# Altium PCB PCB-Relay-Board-V1.PcbDoc (part 1 of 2) (continued)
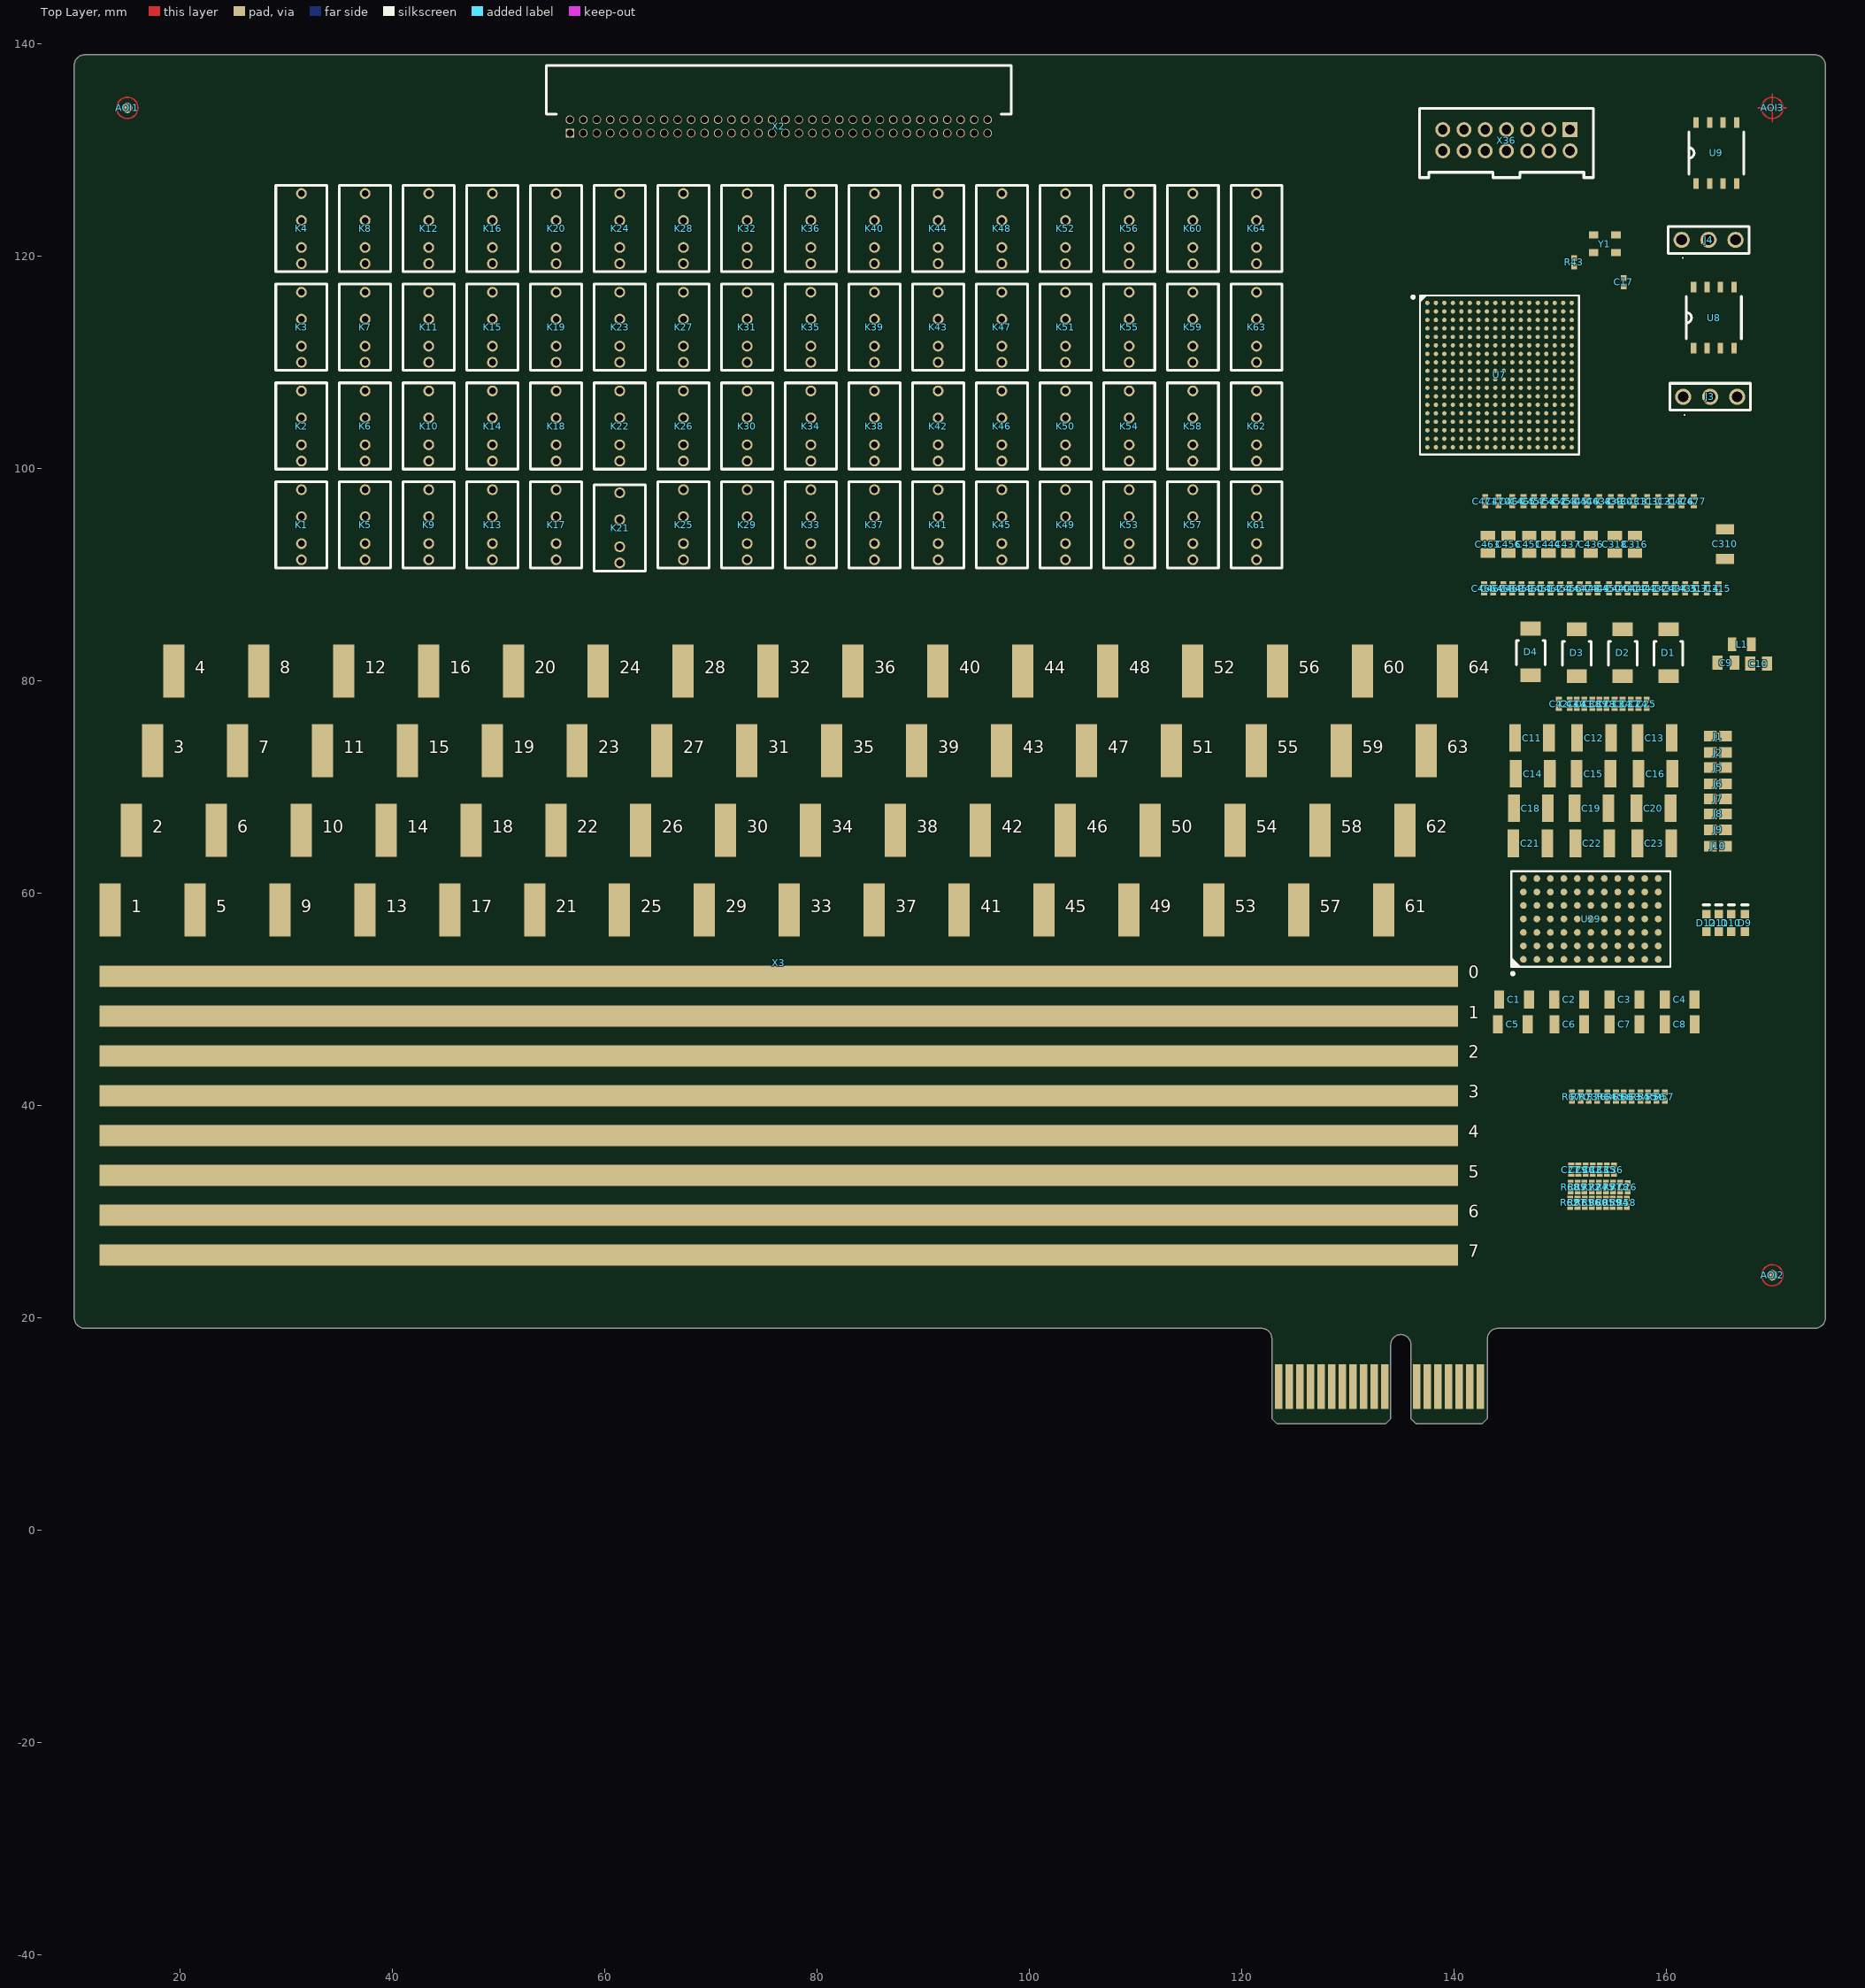
[diagram p0: Top Layer view]
## Classes and differential pairs
net class DRV[64..1]: DRV1 DRV2 DRV3 DRV4 DRV5 DRV6 DRV7 DRV8 DRV9 DRV10 DRV11 DRV12 DRV13 DRV14 DRV15 DRV16 DRV17 DRV18 DRV19 DRV20 DRV21 DRV22 DRV23 DRV24 DRV25 DRV26 DRV27 DRV28 DRV29 DRV30 DRV31 DRV32 DRV33 DRV34 DRV35 DRV36 DRV37 DRV38 DRV39 DRV40 DRV41 DRV42 DRV43 DRV44 DRV45 DRV46 DRV47 DRV48 DRV49 DRV50 DRV51 DRV52 DRV53 DRV54 DRV55 DRV56 DRV57 DRV58 DRV59 DRV60 DRV61 DRV62 DRV63 DRV64
net class ABUS[7..0]: ABUS0 ABUS1 ABUS2 ABUS3 ABUS4 ABUS5 ABUS6 ABUS7
component class X7A15T-Prog: J4 R44 R45 R46 R47 U7 U9 X36 X37
component class X7A15T-Fabric: C17 J3 R43 U8 X35 Y1
component class X7A15T-Decoupling: C310 C311 C312 C313 C314 C315 C316 C317 C318 C430 C431 C432 C433 C434 C435 C436 C437 C438 C439 C440 C441 C442 C443 C444 C445 C446 C447 C448 C449 C450 C451 C452 C453 C454 C455 C456 C457 C458 C459 C460 C461 C462 C463 C464 C465 C466 C467 C468 C469 C470 C471 C476 C477
component class PCB-Relay-Board-V1: AOI1 AOI2 AOI3 AOI4 AOI5 AOI6 D1 D2 D3 D4 K1 K2 K3 K4 K5 K6 K7 K8 K9 K10 K11 K12 K13 K14 K15 K16 K17 K18 K19 K20 K21 K22 K23 K24 K25 K26 K27 K28 K29 K30 K31 K32 K33 K34 K35 K36 K37 K38 K39 K40 K41 K42 K43 K44 K45 K46 K47 K48 K49 K50 K51 K52 K53 K54 K55 K56 K57 K58 K59 K60 K61 K62 K63 K64 Q1 Q2 Q3 Q4 Q5 Q6 Q7 Q8 Q9 Q10 Q11 Q12 Q13 Q14 Q15 Q16 Q17 Q18 Q19 Q20 Q21 Q22 Q23 Q24 Q25 Q26 Q27 Q28 Q29 Q30 Q31 Q32 Q33 Q34 Q35 Q36 Q37 Q38 Q39 Q40 Q41 Q42 Q43 Q44 Q45 Q46 Q47 Q48 Q49 Q50 Q51 Q52 Q53 Q54 Q55 Q56 Q57 Q58 Q59 Q60 Q61 Q62 Q63 Q64 R1 R2 R3 R4 R5 R6 R7 R8 R9 R10 R11 R12 R13 R14 R15 R16 R17 R18 R19 R20 R21 R22 R23 R24 R25 R26 R27 R28 R29 R30 R31 R32 R33 R34 R35 R36 R37 R38 R39 R40 R41 R42 R48 R49 R50 R51 R52 R53 R54 R55 R56 R57 R58 R59 R60 R61 R62 R63 R64 R65 R66 R67 R68 R69 X1 X2 X3 X4
component class RelayDriver: C9 C10 L1
component class Power: C1 C2 C3 C4 C5 C6 C7 C8 C11 C12 C13 C14 C15 C16 C18 C19 C20 C21 C22 C23 C24 C25 C26 C27 C28 C29 C30 C31 C32 C33 C34 C35 C36 C37 C38 C39 C40 C41 C42 C43 C494 C495 C496 C501 C502 C503 C504 C505 C506 C507 C508 C509 D9 D10 D11 D12 J1 J2 J5 J6 J7 J8 J9 J10 J29 J30 J31 J32 J33 J34 J35 J36 R54 R55 R56 R57 R58 R59 R60 R61 R62 R63 R64 R65 R66 R67 R68 R69 R70 R71 R72 R73 R74 R75 R76 R77 R78 R94 R95 R96 R97 U29

## Components (designator, comment, footprint, x,y, rotation, side; value= is the part's Value field where it differs from the comment)
AOI1 "AOI" "Fiducial Point" 15,134 r0 top locked
AOI2 "AOI" "Fiducial Point" 170,24 r90 top
AOI3 "AOI" "Fiducial Cross" 170,134 r90 top locked
AOI4 "AOI" "Fiducial Point" 15,134 r90 bottom locked
AOI5 "AOI" "Fiducial Point" 170,24 r90 bottom
AOI6 "AOI" "Fiducial Cross" 170,134 r90 bottom locked
C1 "C" "C1206 Reflow" 145.662,49.968 r0 top value=10uF
C2 "C" "C1206 Reflow" 150.869,49.968 r0 top value=10uF
C3 "C" "C1206 Reflow" 156.076,49.968 r0 top value=10uF
C4 "C" "C1206 Reflow" 161.283,49.968 r0 top value=10uF
C5 "C" "C1206 Reflow" 145.537,47.661 r0 top value=10uF
C6 "C" "C1206 Reflow" 150.871,47.661 r0 top value=10uF
C7 "C" "C1206 Reflow" 156.078,47.661 r0 top value=10uF
C8 "C" "C1206 Reflow" 161.285,47.661 r0 top value=10uF
C9 "C" "C0805 Reflow" 165.635,81.716 r0 top value=10uF
C10 "C" "C0805 Reflow" 168.705,81.64 r180 top value=10uF
C11 "C" "C1210 Reflow" 147.358,74.637 r0 top value=47uF
C12 "C" "C1210 Reflow" 153.2,74.637 r0 top value=47uF
C13 "C" "C1210 Reflow" 158.915,74.637 r0 top value=47uF
C14 "C" "C1210 Reflow" 147.433,71.261 r0 top value=47uF
C15 "C" "C1210 Reflow" 153.148,71.261 r0 top value=47uF
C16 "C" "C1210 Reflow" 158.99,71.261 r0 top value=47uF
C17 "C" "C0402 Reflow" 155.996,117.58 r90 top value=100nF
C18 "C" "C1210 Reflow" 147.254,68.008 r0 top value=47uF
C19 "C" "C1210 Reflow" 152.969,68.008 r0 top value=47uF
C20 "C" "C1210 Reflow" 158.811,68.008 r0 top value=47uF
C21 "C" "C1210 Reflow" 147.204,64.702 r0 top value=47uF
C22 "C" "C1210 Reflow" 153.046,64.702 r0 top value=47uF
C23 "C" "C1210 Reflow" 158.888,64.702 r0 top value=47uF
C24 "C" "C0402 Reflow" 157.397,77.847 r90 top value=100pF
C25 "C" "C0402 Reflow" 158.169,77.847 r90 top value=100pF
C26 "C" "C0402 Reflow" 156.381,32.29 r90 top value=100nF
C27 "C" "C0402 Reflow" 151.057,33.95 r90 top value=1nF
C28 "C" "C0402 Reflow" 154.382,77.847 r90 top value=100pF
C29 "C" "C0402 Reflow" 151.725,33.95 r90 top value=100nF
C30 "C" "C0402 Reflow" 152.428,33.95 r90 top value=1nF
C31 "C" "C0402 Reflow" 155.14,77.847 r90 top value=100pF
C32 "C" "C0402 Reflow" 153.071,33.95 r90 top value=100nF
C33 "C" "C0402 Reflow" 153.75,33.95 r90 top value=1nF
C34 "C" "C0402 Reflow" 155.892,77.847 r90 top value=100pF
C35 "C" "C0402 Reflow" 154.412,33.95 r90 top value=100nF
C36 "C" "C0402 Reflow" 155.092,33.95 r90 top value=1nF
C37 "C" "C0402 Reflow" 156.671,77.847 r90 top value=100pF
C38 "C" "C0402 Reflow" 153.023,77.847 r90 top value=100pF
C39 "C" "C0402 Reflow" 153.707,77.847 r90 top value=100pF
C40 "C" "C0402 Reflow" 151.584,77.847 r90 top value=100pF
C41 "C" "C0402 Reflow" 152.276,77.847 r90 top value=100pF
C42 "C" "C0402 Reflow" 149.891,77.847 r90 top value=100pF
C43 "C" "C0402 Reflow" 150.907,77.847 r90 top value=100pF
C310 "C" "C1206 Reflow" 165.547,92.905 r90 top value=47uF
C311 "C" "C0402 RevOne" 158.212,96.937 r90 top value=4u7F
C312 "C" "C0402 RevOne" 159.253,96.937 r90 top value=4u7F
C313 "C" "C0402 RevOne" 160.476,96.937 r90 top value=4u7F
C314 "C" "C0402 RevOne" 163.82,88.72 r90 top value=470nF
C315 "C" "C0402 RevOne" 164.935,88.72 r90 top value=470nF
C316 "C" "C0805 Reflow" 157.062,92.858 r90 top value=47uF
C317 "C" "C0402 RevOne" 162.793,88.72 r90 top value=470nF
C318 "C" "C0805 Reflow" 155.163,92.858 r90 top value=47uF
C430 "C" "C0402 RevOne" 155.703,96.937 r90 top value=4u7F
C431 "C" "C0402 RevOne" 156.953,96.937 r90 top value=4u7F
C432 "C" "C0402 RevOne" 159.004,88.72 r90 top value=470nF
C433 "C" "C0402 RevOne" 159.914,88.72 r90 top value=470nF
C434 "C" "C0402 RevOne" 160.824,88.72 r90 top value=470nF
C435 "C" "C0402 RevOne" 161.798,88.72 r90 top value=470nF
C436 "C" "C0805 Reflow" 152.899,92.858 r90 top value=47uF
C437 "C" "C0805 Reflow" 150.764,92.858 r90 top value=47uF
C438 "C" "C0402 RevOne" 153.715,96.937 r90 top value=4u7F
C439 "C" "C0402 RevOne" 154.778,96.937 r90 top value=4u7F
C440 "C" "C0402 RevOne" 155.513,88.72 r90 top value=470nF
C441 "C" "C0402 RevOne" 156.358,88.72 r90 top value=470nF
C442 "C" "C0402 RevOne" 157.179,88.72 r90 top value=470nF
C443 "C" "C0402 RevOne" 158.024,88.72 r90 top value=470nF
C444 "C" "C0805 Reflow" 148.91,92.858 r90 top value=47uF
C445 "C" "C0402 RevOne" 151.437,96.937 r90 top value=4u7F
C446 "C" "C0402 RevOne" 152.532,96.937 r90 top value=4u7F
C447 "C" "C0402 RevOne" 151.855,88.72 r90 top value=470nF
C448 "C" "C0402 RevOne" 152.672,88.72 r90 top value=470nF
C449 "C" "C0402 RevOne" 153.547,88.72 r90 top value=470nF
C450 "C" "C0402 RevOne" 154.622,88.72 r90 top value=470nF
C451 "C" "C0805 Reflow" 147.088,92.858 r90 top value=47uF
C452 "C" "C0402 RevOne" 149.514,96.937 r90 top value=4u7F
C453 "C" "C0402 RevOne" 150.508,96.937 r90 top value=4u7F
C454 "C" "C0402 RevOne" 150.053,88.72 r90 top value=470nF
C455 "C" "C0402 RevOne" 150.905,88.72 r90 top value=470nF
C456 "C" "C0805 Reflow" 145.14,92.858 r90 top value=47uF
C457 "C" "C0402 RevOne" 147.542,96.937 r90 top value=4u7F
C458 "C" "C0402 RevOne" 148.445,96.937 r90 top value=4u7F
C459 "C" "C0402 RevOne" 146.376,88.72 r90 top value=470nF
C460 "C" "C0402 RevOne" 147.305,88.72 r90 top value=470nF
C461 "C" "C0402 RevOne" 148.208,88.72 r90 top value=470nF
C462 "C" "C0402 RevOne" 149.131,88.72 r90 top value=470nF
C463 "C" "C0805 Reflow" 143.202,92.858 r90 top value=47uF
C464 "C" "C0402 RevOne" 145.481,96.937 r90 top value=4u7F
C465 "C" "C0402 RevOne" 146.553,96.937 r90 top value=4u7F
C466 "C" "C0402 RevOne" 142.848,88.72 r90 top value=470nF
C467 "C" "C0402 RevOne" 143.713,88.72 r90 top value=470nF
C468 "C" "C0402 RevOne" 144.658,88.72 r90 top value=470nF
C469 "C" "C0402 RevOne" 145.479,88.72 r90 top value=470nF
C470 "C" "C0402 RevOne" 144.215,96.937 r90 top value=4u7F
C471 "C" "C0402 RevOne" 142.959,96.937 r90 top value=4u7F
C476 "C" "C0402 RevOne" 161.442,96.937 r90 top value=4u7F
C477 "C" "C0402 RevOne" 162.6,96.937 r90 top value=4u7F
D1 "D" SOD128 160.219,82.665 r90 top
D2 "D" SOD128 155.901,82.665 r90 top
D3 "D" SOD128 151.583,82.665 r90 top
D4 "D" SOD128 147.232,82.731 r90 top
D9 "D" L0603G 167.425,57.204 r90 top
D10 "D" L0603G 166.143,57.204 r90 top
D11 "D" L0603G 164.964,57.204 r90 top
D12 "D" L0603G 163.785,57.204 r90 top
J1 "J" JumperSMD 164.878,74.792 r0 top value=0R
J2 "J" JumperSMD 164.878,73.257 r0 top value=0R
J3 "J" "Header 100mil 3x1" 164.145,106.777 r0 top
J4 "J" "Header 100mil 3x1" 163.996,121.563 r0 top
J5 "J" JumperSMD 164.878,71.836 r0 top value=0R
J6 "J" JumperSMD 164.878,70.317 r0 top value=0R
J7 "J" JumperSMD 164.878,68.901 r0 top value=0R
J8 "J" JumperSMD 164.878,67.482 r0 top value=0R
J9 "J" JumperSMD 164.878,65.977 r0 top value=0R
J10 "J" JumperSMD 164.878,64.426 r180 top value=0R
K1 "K" 118-1A 31.402,94.722 r90 top
K2 "K" 118-1A 31.402,104.024 r90 top
K3 "K" 118-1A 31.402,113.326 r90 top
K4 "K" 118-1A 31.402,122.628 r90 top
K5 "K" 118-1A 37.402,94.722 r90 top
K6 "K" 118-1A 37.402,104.024 r90 top
K7 "K" 118-1A 37.402,113.326 r90 top
K8 "K" 118-1A 37.402,122.628 r90 top
K9 "K" 118-1A 43.402,94.722 r90 top
K10 "K" 118-1A 43.402,104.024 r90 top
K11 "K" 118-1A 43.402,113.326 r90 top
K12 "K" 118-1A 43.402,122.628 r90 top
K13 "K" 118-1A 49.402,94.722 r90 top
K14 "K" 118-1A 49.402,104.024 r90 top
K15 "K" 118-1A 49.402,113.326 r90 top
K16 "K" 118-1A 49.402,122.628 r90 top
K17 "K" 118-1A 55.402,94.722 r90 top
K18 "K" 118-1A 55.402,104.024 r90 top
K19 "K" 118-1A 55.402,113.326 r90 top
K20 "K" 118-1A 55.402,122.628 r90 top
K21 "K" 118-1A 61.402,94.428 r90 top
K22 "K" 118-1A 61.402,104.024 r90 top
K23 "K" 118-1A 61.402,113.326 r90 top
K24 "K" 118-1A 61.402,122.628 r90 top
K25 "K" 118-1A 67.402,94.722 r90 top
K26 "K" 118-1A 67.402,104.024 r90 top
K27 "K" 118-1A 67.402,113.326 r90 top
K28 "K" 118-1A 67.402,122.628 r90 top
K29 "K" 118-1A 73.402,94.722 r90 top
K30 "K" 118-1A 73.402,104.024 r90 top
K31 "K" 118-1A 73.402,113.326 r90 top
K32 "K" 118-1A 73.402,122.628 r90 top
K33 "K" 118-1A 79.402,94.722 r90 top
K34 "K" 118-1A 79.402,104.024 r90 top
K35 "K" 118-1A 79.402,113.326 r90 top
K36 "K" 118-1A 79.402,122.628 r90 top
K37 "K" 118-1A 85.402,94.722 r90 top
K38 "K" 118-1A 85.402,104.024 r90 top
K39 "K" 118-1A 85.402,113.326 r90 top
K40 "K" 118-1A 85.402,122.628 r90 top
K41 "K" 118-1A 91.402,94.722 r90 top
K42 "K" 118-1A 91.402,104.024 r90 top
K43 "K" 118-1A 91.402,113.326 r90 top
K44 "K" 118-1A 91.402,122.628 r90 top
K45 "K" 118-1A 97.402,94.722 r90 top
K46 "K" 118-1A 97.402,104.024 r90 top
K47 "K" 118-1A 97.402,113.326 r90 top
K48 "K" 118-1A 97.402,122.628 r90 top
K49 "K" 118-1A 103.402,94.722 r90 top
K50 "K" 118-1A 103.402,104.024 r90 top
K51 "K" 118-1A 103.402,113.326 r90 top
K52 "K" 118-1A 103.402,122.628 r90 top
K53 "K" 118-1A 109.402,94.722 r90 top
K54 "K" 118-1A 109.402,104.024 r90 top
K55 "K" 118-1A 109.402,113.326 r90 top
K56 "K" 118-1A 109.402,122.628 r90 top
K57 "K" 118-1A 115.402,94.722 r90 top
K58 "K" 118-1A 115.402,104.024 r90 top
K59 "K" 118-1A 115.402,113.326 r90 top
K60 "K" 118-1A 115.402,122.628 r90 top
K61 "K" 118-1A 121.402,94.722 r90 top
K62 "K" 118-1A 121.402,104.024 r90 top
K63 "K" 118-1A 121.402,113.326 r90 top
K64 "K" 118-1A 121.402,122.628 r90 top
L1 "L" FB0805 167.125,83.456 r0 top
Q1 "Q" SOT23-3 28.402,94.094 r180 bottom
Q2 "Q" SOT23-3 28.402,103.396 r180 bottom
Q3 "Q" SOT23-3 28.402,112.698 r180 bottom
Q4 "Q" SOT23-3 28.402,122 r180 bottom
Q5 "Q" SOT23-3 34.402,94.094 r180 bottom
Q6 "Q" SOT23-3 34.402,103.396 r180 bottom
Q7 "Q" SOT23-3 34.402,112.698 r180 bottom
Q8 "Q" SOT23-3 34.402,122 r180 bottom
Q9 "Q" SOT23-3 40.402,94.094 r180 bottom
Q10 "Q" SOT23-3 40.402,103.396 r180 bottom
Q11 "Q" SOT23-3 40.402,112.698 r180 bottom
Q12 "Q" SOT23-3 40.402,122 r180 bottom
Q13 "Q" SOT23-3 46.402,94.094 r180 bottom
Q14 "Q" SOT23-3 46.402,103.396 r180 bottom
Q15 "Q" SOT23-3 46.402,112.698 r180 bottom
Q16 "Q" SOT23-3 46.402,122 r180 bottom
Q17 "Q" SOT23-3 52.402,94.176 r180 bottom
Q18 "Q" SOT23-3 52.402,103.396 r180 bottom
Q19 "Q" SOT23-3 52.402,112.698 r180 bottom
Q20 "Q" SOT23-3 52.376,122 r180 bottom
Q21 "Q" SOT23-3 58.402,93.8 r180 bottom
Q22 "Q" SOT23-3 58.399,103.396 r180 bottom
Q23 "Q" SOT23-3 58.39,112.698 r180 bottom
Q24 "Q" SOT23-3 58.421,122 r180 bottom
Q25 "Q" SOT23-3 64.402,94.094 r180 bottom
Q26 "Q" SOT23-3 64.325,103.396 r180 bottom
Q27 "Q" SOT23-3 64.356,112.698 r180 bottom
Q28 "Q" SOT23-3 64.427,122 r180 bottom
Q29 "Q" SOT23-3 70.402,94.094 r180 bottom
Q30 "Q" SOT23-3 70.402,103.396 r180 bottom
Q31 "Q" SOT23-3 70.361,112.698 r180 bottom
Q32 "Q" SOT23-3 70.512,122 r180 bottom
Q33 "Q" SOT23-3 76.458,94.094 r180 bottom
Q34 "Q" SOT23-3 76.402,103.396 r180 bottom
Q35 "Q" SOT23-3 76.402,112.698 r180 bottom
Q36 "Q" SOT23-3 76.376,122 r180 bottom
Q37 "Q" SOT23-3 82.354,94.094 r180 bottom
Q38 "Q" SOT23-3 82.382,103.396 r180 bottom
Q39 "Q" SOT23-3 82.41,112.698 r180 bottom
Q40 "Q" SOT23-3 82.359,122 r180 bottom
Q41 "Q" SOT23-3 88.402,94.094 r180 bottom
Q42 "Q" SOT23-3 88.375,103.396 r180 bottom
Q43 "Q" SOT23-3 88.364,112.698 r180 bottom
Q44 "Q" SOT23-3 88.412,122 r180 bottom
Q45 "Q" SOT23-3 94.402,94.094 r180 bottom
Q46 "Q" SOT23-3 94.402,103.396 r180 bottom
Q47 "Q" SOT23-3 94.397,112.698 r180 bottom
Q48 "Q" SOT23-3 94.386,122 r180 bottom
Q49 "Q" SOT23-3 100.402,94.094 r180 bottom
Q50 "Q" SOT23-3 100.402,103.396 r180 bottom
Q51 "Q" SOT23-3 100.402,112.698 r180 bottom
Q52 "Q" SOT23-3 100.402,122 r180 bottom
Q53 "Q" SOT23-3 106.402,94.094 r180 bottom
Q54 "Q" SOT23-3 106.402,103.396 r180 bottom
Q55 "Q" SOT23-3 106.402,112.698 r180 bottom
Q56 "Q" SOT23-3 106.402,122 r180 bottom
Q57 "Q" SOT23-3 112.402,94.094 r180 bottom
Q58 "Q" SOT23-3 112.402,103.396 r180 bottom
Q59 "Q" SOT23-3 112.402,112.698 r180 bottom
Q60 "Q" SOT23-3 112.402,122 r180 bottom
Q61 "Q" SOT23-3 118.402,94.094 r180 bottom
Q62 "Q" SOT23-3 118.402,103.396 r180 bottom
Q63 "Q" SOT23-3 118.402,112.698 r180 bottom
Q64 "Q" SOT23-3 118.402,122 r180 bottom
R1 "R" "R0402 Reflow" 28.421,96.527 r180 bottom value=4K7
R2 "R" "R0402 Reflow" 28.421,105.829 r180 bottom value=4K7
R3 "R" "R0402 Reflow" 28.402,115.131 r180 bottom value=4K7
R4 "R" "R0402 Reflow" 28.421,124.433 r180 bottom value=4K7
R5 "R" "R0402 Reflow" 34.421,96.527 r180 bottom value=4K7
R6 "R" "R0402 Reflow" 34.402,105.829 r180 bottom value=4K7
R7 "R" "R0402 Reflow" 34.421,115.131 r180 bottom value=4K7
R8 "R" "R0402 Reflow" 34.421,124.433 r180 bottom value=4K7
R9 "R" "R0402 Reflow" 40.421,96.527 r180 bottom value=4K7
R10 "R" "R0402 Reflow" 40.421,105.829 r180 bottom value=4K7
R11 "R" "R0402 Reflow" 40.421,115.131 r180 bottom value=4K7
R12 "R" "R0402 Reflow" 40.421,124.433 r180 bottom value=4K7
R13 "R" "R0402 Reflow" 46.421,96.527 r180 bottom value=4K7
R14 "R" "R0402 Reflow" 46.421,105.829 r180 bottom value=4K7
R15 "R" "R0402 Reflow" 46.421,115.131 r180 bottom value=4K7
R16 "R" "R0402 Reflow" 46.421,124.433 r180 bottom value=4K7
R17 "R" "R0402 Reflow" 52.421,96.527 r180 bottom value=4K7
R18 "R" "R0402 Reflow" 52.421,105.829 r180 bottom value=4K7
R19 "R" "R0402 Reflow" 52.421,115.131 r180 bottom value=4K7
R20 "R" "R0402 Reflow" 52.421,124.433 r180 bottom value=4K7
R21 "R" "R0402 Reflow" 58.402,96.233 r180 bottom value=4K7
R22 "R" "R0402 Reflow" 58.421,105.829 r180 bottom value=4K7
R23 "R" "R0402 Reflow" 58.421,115.131 r180 bottom value=4K7
R24 "R" "R0402 Reflow" 58.421,124.433 r180 bottom value=4K7
R25 "R" "R0402 Reflow" 64.402,96.527 r180 bottom value=4K7
R26 "R" "R0402 Reflow" 64.421,105.829 r180 bottom value=4K7
R27 "R" "R0402 Reflow" 64.421,115.131 r180 bottom value=4K7
R28 "R" "R0402 Reflow" 64.421,124.433 r180 bottom value=4K7
R29 "R" "R0402 Reflow" 70.421,96.527 r180 bottom value=4K7
R30 "R" "R0402 Reflow" 70.421,105.829 r180 bottom value=4K7
R31 "R" "R0402 Reflow" 70.421,115.131 r180 bottom value=4K7
R32 "R" "R0402 Reflow" 70.421,124.433 r180 bottom value=4K7
R33 "R" "R0402 Reflow" 76.421,96.527 r180 bottom value=4K7
R34 "R" "R0402 Reflow" 76.421,105.829 r180 bottom value=4K7
R35 "R" "R0402 Reflow" 76.421,115.131 r180 bottom value=4K7
R36 "R" "R0402 Reflow" 76.421,124.433 r180 bottom value=4K7
R37 "R" "R0402 Reflow" 82.421,96.527 r180 bottom value=4K7
R38 "R" "R0402 Reflow" 82.421,105.829 r180 bottom value=4K7
R39 "R" "R0402 Reflow" 82.421,115.131 r180 bottom value=4K7
R40 "R" "R0402 Reflow" 82.421,124.433 r180 bottom value=4K7
R41 "R" "R0402 Reflow" 88.421,96.527 r180 bottom value=4K7
R42 "R" "R0402 Reflow" 88.421,105.829 r180 bottom value=4K7
R43 "R" "R0402 Reflow" 151.344,119.448 r90 top value=33
R44 "R" "R0402 Reflow" 142.896,99.924 r90 bottom value=4K7
R45 "R" "R0402 Reflow" 143.91,99.924 r270 bottom value=330
R46 "R" "R0402 Reflow" 145.15,99.924 r270 bottom value=4K7
R47 "R" "R0402 Reflow" 146.302,99.924 r270 bottom value=2K4
R48 "R" "R0402 Reflow" 88.421,115.131 r180 bottom value=4K7
R49 "R" "R0402 Reflow" 88.421,124.433 r180 bottom value=4K7
R50 "R" "R0402 Reflow" 94.421,96.527 r180 bottom value=4K7
R51 "R" "R0402 Reflow" 94.402,105.829 r180 bottom value=4K7
R52 "R" "R0402 Reflow" 94.421,115.131 r180 bottom value=4K7
R53 "R" "R0402 Reflow" 94.421,124.433 r180 bottom value=4K7
R54 "R" "R0402 Reflow" 100.402,96.527 r180 bottom value=4K7
R54 "R" "R0402 Reflow" 157.574,40.826 r90 top value=10K
R55 "R" "R0402 Reflow" 100.402,124.433 r180 bottom value=4K7
R55 "R" "R0402 Reflow" 158.304,40.826 r90 top value=10K
R56 "R" "R0402 Reflow" 100.402,115.131 r180 bottom value=4K7
R56 "R" "R0402 Reflow" 159.073,40.826 r90 top value=10K
R57 "R" "R0402 Reflow" 100.402,105.829 r180 bottom value=4K7
R57 "R" "R0402 Reflow" 159.885,40.826 r90 top value=10K
R58 "R" "R0402 Reflow" 106.402,96.527 r180 bottom value=4K7
R58 "R" "R0402 Reflow" 156.294,30.838 r90 top value=100K
R59 "R" "R0402 Reflow" 106.402,105.829 r180 bottom value=4K7
R59 "R" "R0402 Reflow" 154.966,30.838 r90 top value=0
R60 "R" "R0402 Reflow" 106.402,115.131 r180 bottom value=4K7
R60 "R" "R0402 Reflow" 153.656,30.838 r90 top value=0
R61 "R" "R0402 Reflow" 106.402,124.433 r180 bottom value=4K7
R61 "R" "R0402 Reflow" 152.319,30.838 r90 top value=0
R62 "R" "R0402 Reflow" 112.402,96.527 r180 bottom value=4K7
R62 "R" "R0402 Reflow" 150.967,30.838 r90 top value=0
R63 "R" "R0402 Reflow" 112.402,105.829 r180 bottom value=4K7
R63 "R" "R0402 Reflow" 156.751,40.826 r90 top value=10K
R64 "R" "R0402 Reflow" 112.402,115.131 r180 bottom value=4K7
R64 "R" "R0402 Reflow" 154.464,40.826 r90 top value=10K
R65 "R" "R0402 Reflow" 112.402,124.433 r180 bottom value=4K7
R65 "R" "R0402 Reflow" 155.267,40.826 r90 top value=10K
R66 "R" "R0402 Reflow" 118.402,96.527 r180 bottom value=4K7
R66 "R" "R0402 Reflow" 156.008,40.826 r90 top value=10K
R67 "R" "R0402 Reflow" 118.402,105.829 r180 bottom value=4K7
R67 "R" "R0402 Reflow" 151.113,40.826 r90 top value=10K
R68 "R" "R0402 Reflow" 118.402,115.131 r180 bottom value=4K7
R68 "R" "R0402 Reflow" 150.996,32.313 r90 top value=0
R69 "R" "R0402 Reflow" 118.402,124.433 r180 bottom value=4K7
R69 "R" "R0402 Reflow" 151.65,32.313 r90 top value=13K3
R70 "R" "R0402 Reflow" 151.946,40.826 r90 top value=10K
R71 "R" "R0402 Reflow" 152.288,32.313 r90 top value=0
R72 "R" "R0402 Reflow" 152.995,32.313 r90 top value=19K1
R73 "R" "R0402 Reflow" 152.713,40.826 r90 top value=10K
R74 "R" "R0402 Reflow" 153.657,32.313 r90 top value=0
R75 "R" "R0402 Reflow" 154.336,32.313 r90 top value=30K1
R76 "R" "R0402 Reflow" 153.509,40.826 r90 top value=10K
R77 "R" "R0402 Reflow" 154.998,32.313 r90 top value=0
R78 "R" "R0402 Reflow" 155.678,32.313 r90 top value=90K9
R94 "R" "R0402 Reflow" 155.638,30.838 r90 top value=1K65
R95 "R" "R0402 Reflow" 154.322,30.838 r90 top value=1K65
R96 "R" "R0402 Reflow" 153.001,30.838 r90 top value=1K65
R97 "R" "R0402 Reflow" 151.64,30.838 r90 top value=1K65
U7 "U" XC7A15T-1CSG324C 144.3,108.821 r0 top
U8 "U" "SOIC8 (R-8)" 164.485,114.231 r0 top
U9 "U" "SOIC8 (R-8)" 164.73,129.751 r0 top
U29 "U" LTM4644 152.898,57.573 r90 top
X2 "X" TFC-132-01-F-D-RA 76.379,132.253 r0 top
X3 "X" CONFIG64 76.376,69.674 r0 top locked
X4 "X" PCIE-036-02-F-D-Fingers 135,10 r180 bottom locked
X36 "X" LTMM-107-02-F-D 144.945,130.951 r180 top
Y1 "Y" 4SMD 154.22,121.197 r0 top

## Footprints (in the part's own frame and the unit in brackets; to place one, negate y for a bottom-side part, rotate by r counter-clockwise, add the part's x,y. Pads: shape width x height; smd on the part's side, far side on the other; paste and mask are expansions set on the pad)
4SMD [mm]
  rect 0.9x0.65 smd paste+0: 1(-1.05,-0.825) 2(1.05,-0.825) 3(1.05,0.825) 4(-1.05,0.825)
  body extent -1.6,-1.25 1.6,1.25, height 1.2
118-1A [mil] "ATE Relay (NO)"
  round 40 hole 25: 1(-130,0) 2(-70,0) 3(30,0) 4(130,0)
  silkscreen extent -160,-95 160,95, body extent -160,-95 160,94, height 600
"C0402 Reflow" [mm] "SMT CAP 0402 Reflow Soldering"
  rect 0.55x0.55 smd: 1(-0.4,0) 2(0.4,0)
  body extent -0.5,-0.25 0.5,0.25, height 0.5
"C0402 RevOne" [mm] "Chip Capacitor; Body 1.0x0.5mm (LxW typ), IPC High Density"
  rect 0.55x0.55 smd: 1(-0.4,0) 2(0.4,0)
  body extent -0.55,-0.3 0.55,0.3, height 0.6
"C0805 Reflow" [mm] "SMT Capacitor 0805 Reflow Soldering"
  rect 0.95x1.35 smd: 1(-0.8,0) 2(0.8,0)
  body extent -1,-0.62 1,0.63, height 0.6
"C1206 Reflow" [mm] "SMT Capacitor 1206 Reflow Soldering"
  rect 0.95x1.7 smd: 1(-1.4,0) 2(1.4,0)
  body extent -1.6,-0.8 1.6,0.8, height 0.78
"C1210 Reflow" [mm] "SMT Capacitor 1210 Reflow Soldering"
  rect 1.1x2.6 smd: 1(-1.6,0) 2(1.6,0)
  body extent -1.6,-1.25 1.6,1.25, height 0.78
CONFIG64 [mm] "PCB Tester Configuration area (64 relays)"
  rect 2x5 smd: 1(-63,-11.25) 2(-61,-3.75) 3(-59,3.75) 4(-57,11.25) 5(-55,-11.25) 6(-53,-3.75) 7(-51,3.75) 8(-49,11.25) 9(-47,-11.25) 10(-45,-3.75) 11(-43,3.75) 12(-41,11.25) 13(-39,-11.25) 14(-37,-3.75) 15(-35,3.75) 16(-33,11.25) 17(-31,-11.25) 18(-29,-3.75) 19(-27,3.75) 20(-25,11.25) 21(-23,-11.25) 22(-21,-3.75) 23(-19,3.75) 24(-17,11.25) 25(-15,-11.25) 26(-13,-3.75) 27(-11,3.75) 28(-9,11.25) 29(-7,-11.25) 30(-5,-3.75) 31(-3,3.75) 32(-1,11.25) 33(1,-11.25) 34(3,-3.75) 35(5,3.75) 36(7,11.25) 37(9,-11.25) 38(11,-3.75) 39(13,3.75) 40(15,11.25) 41(17,-11.25) 42(19,-3.75) 43(21,3.75) 44(23,11.25) 45(25,-11.25) 46(27,-3.75) 47(29,3.75) 48(31,11.25) 49(33,-11.25) 50(35,-3.75) 51(37,3.75) 52(39,11.25) 53(41,-11.25) 54(43,-3.75) 55(45,3.75) 56(47,11.25) 57(49,-11.25) 58(51,-3.75) 59(53,3.75) 60(55,11.25) 61(57,-11.25) 62(59,-3.75) 63(61,3.75) 64(63,11.25)
  rect 128x2 smd paste-100: ABUS0(0,-17.5) ABUS1(0,-21.25) ABUS2(0,-25) ABUS3(0,-28.75) ABUS4(0,-32.5) ABUS5(0,-36.25) ABUS6(0,-40) ABUS7(0,-43.75)
FB0805 [mm] "SMT Ferrite Bead 0805"
  rect 0.8x1.3 smd: 1(-0.9,0) 2(0.9,0)
  body extent -1.15,-0.63 1.15,0.64, height 1.05
"Fiducial Cross" [mm]
  Top Layer circle w0.15: c0,0 r1
  Top Layer lines w0.15: 0,1.3 0,-1.3 ; -1.3,0 1.3,0
"Fiducial Point" [mm]
  round 1 smd paste+0 mask+0: 0(0,0)
  Top Layer circle w0.15: c0,0 r1
"Header 100mil 3x1" [mil] "HMTSW-103-07-G-S-240"
  round 60 hole 40: 1(-100,0) 2(0,0) 3(100,0)
  silkscreen extent -150,-50 150,50, body extent -150,-49 150,49, height 340
JumperSMD [mm] "Chip Resistor, Body 1.6x0.8mm (LxW typ), IPC High Density"
  rect 1.2x1 smd: 1(-0.711,0) 2(0.711,0)
  body extent -0.89,-0.4 0.71,0.4, height 0.45
L0603G [mm] "LTST-C191KGKT"
  rect 0.8x0.8 smd: 1(-0.825,0) 2(0.825,0)
  silkscreen extent 1.7,-0.3 1.7,0.3, body extent -0.8,-0.4 0.8,0.4, height 0.8
LTM4644 [mm]
  round 0.63 smd: A1(-3.81,6.35) A2(-2.54,6.35) A3(-1.27,6.35) A4(0,6.35) A5(1.27,6.35) A6(2.54,6.35) A7(3.81,6.35) B1(-3.81,5.08) B2(-2.54,5.08) B3(-1.27,5.08) B4(0,5.08) B5(1.27,5.08) B6(2.54,5.08) B7(3.81,5.08) C1(-3.81,3.81) C2(-2.54,3.81) C3(-1.27,3.81) C4(0,3.81) C5(1.27,3.81) C6(2.54,3.81) C7(3.81,3.81) D1(-3.81,2.54) D2(-2.54,2.54) D3(-1.27,2.54) D4(0,2.54) D5(1.27,2.54) D6(2.54,2.54) D7(3.81,2.54) E1(-3.81,1.27) E2(-2.54,1.27) E3(-1.27,1.27) E4(0,1.27) E5(1.27,1.27) E6(2.54,1.27) E7(3.81,1.27) F1(-3.81,0) F2(-2.54,0) F3(-1.27,0) F4(0,0) F5(1.27,0) F6(2.54,0) F7(3.81,0) G1(-3.81,-1.27) G2(-2.54,-1.27) G3(-1.27,-1.27) G4(0,-1.27) G5(1.27,-1.27) G6(2.54,-1.27) G7(3.81,-1.27) H1(-3.81,-2.54) H2(-2.54,-2.54) H3(-1.27,-2.54) H4(0,-2.54) H5(1.27,-2.54) H6(2.54,-2.54) H7(3.81,-2.54) J1(-3.81,-3.81) J2(-2.54,-3.81) J3(-1.27,-3.81) J4(0,-3.81) J5(1.27,-3.81) J6(2.54,-3.81) J7(3.81,-3.81) K1(-3.81,-5.08) K2(-2.54,-5.08) K3(-1.27,-5.08) K4(0,-5.08) K5(1.27,-5.08) K6(2.54,-5.08) K7(3.81,-5.08) L1(-3.81,-6.35) L2(-2.54,-6.35) L3(-1.27,-6.35) L4(0,-6.35) L5(1.27,-6.35) L6(2.54,-6.35) L7(3.81,-6.35)
  silkscreen extent -5.27,-7.5 4.5,7.5, body extent -4.5,-7.5 4.5,7.5, height 5.11
LTMM-107-02-F-D [mm] "CONN HEADER VERT 14POS 2MM (Xilinx JTAG)"
  rect 1.4x1.4 hole 0.9 paste+0: 1(-6,-1)
  round 1.4 hole 0.9 paste+0: 2(-6,1) 3(-4,-1) 4(-4,1) 5(-2,-1) 6(-2,1) 7(0,-1) 8(0,1) 9(2,-1) 10(2,1) 11(4,-1) 12(4,1) 13(6,-1) 14(6,1)
  silkscreen extent -8.19,-3.01 8.19,3.52, body extent -8.19,-3.01 8.19,3.52, height 4.83
PCIE-036-02-F-D-Fingers [mm] "PCB contacts for PCIE-036-02-F-D-TH"
  rect 0.7x3.2 smd paste-2: A1(11.5,4)
  rect 0.7x4.2 smd paste-2: A2(10.5,3.5) A3(9.5,3.5) A4(8.5,3.5) A5(7.5,3.5) A6(6.5,3.5) A7(5.5,3.5) A8(4.5,3.5) A9(3.5,3.5) A10(2.5,3.5) A11(1.5,3.5) A12(-1.5,3.5) A13(-2.5,3.5) A14(-3.5,3.5) A15(-4.5,3.5) A16(-5.5,3.5) A17(-6.5,3.5) A18(-7.5,3.5)
  rect 0.7x4.2 smd far side paste-2: B1(11.5,3.5) B2(10.5,3.5) B3(9.5,3.5) B4(8.5,3.5) B5(7.5,3.5) B6(6.5,3.5) B7(5.5,3.5) B8(4.5,3.5) B9(3.5,3.5) B10(2.5,3.5) B11(1.5,3.5) B12(-1.5,3.5) B13(-2.5,3.5) B14(-3.5,3.5) B15(-4.5,3.5) B16(-5.5,3.5) B17(-6.5,3.5) B18(-7.5,3.5)
"R0402 Reflow" [mm] "SMT Resistor 0402 Reflow Soldering"
  rect 0.55x0.55 smd: 1(-0.4,0) 2(0.4,0)
  body extent -0.5,-0.25 0.5,0.25, height 0.35
SOD128 [mm] "PMEG4050EP,115"
  rect 1.3x1.9 smd: 1(-2.2,0) 2(2.2,0)
  silkscreen extent -1.2,-1.35 1.06,1.35, body extent -2.5,-1.35 2.5,1.35, height 1.1
"SOIC8 (R-8)" [mil] "Generic 8 lead SOIC Narrow Body"
  rect 20x39 smd: 1(-75,-113) 2(-25,-113) 3(25,-113) 4(75,-113) 5(75,113) 6(25,113)
  rect 20x40 smd: 7(-25,113) 8(-75,113)
  silkscreen extent -102,-79 102,79, body extent -98,-122 98,122, height 69
SOT23-3 [mm]
  rect 0.8x0.9 smd mask+0.1: 1(0.95,1.15) 2(-0.95,1.15) 3(0,-1.15)
  body extent -1.45,-1.4 1.45,1.4, height 1.3
TFC-132-01-F-D-RA [mm] "64 pin box header right angled"
  rect 0.8x0.8 hole 0.635 paste+0: 1(-19.685,-0.635)
  round 0.8 hole 0.635 paste+0: 2(-19.685,0.635) 3(-18.415,-0.635) 4(-18.415,0.635) 5(-17.145,-0.635) 6(-17.145,0.635) 7(-15.875,-0.635) 8(-15.875,0.635) 9(-14.605,-0.635) 10(-14.605,0.635) 11(-13.335,-0.635) 12(-13.335,0.635) 13(-12.065,-0.635) 14(-12.065,0.635) 15(-10.795,-0.635) 16(-10.795,0.635) 17(-9.525,-0.635) 18(-9.525,0.635) 19(-8.255,-0.635) 20(-8.255,0.635) 21(-6.985,-0.635) 22(-6.985,0.635) 23(-5.715,-0.635) 24(-5.715,0.635) 25(-4.445,-0.635) 26(-4.445,0.635) 27(-3.175,-0.635) 28(-3.175,0.635) 29(-1.905,-0.635) 30(-1.905,0.635) 31(-0.635,-0.635) 32(-0.635,0.635) 33(0.635,-0.635) 34(0.635,0.635) 35(1.905,-0.635) 36(1.905,0.635) 37(3.175,-0.635) 38(3.175,0.635) 39(4.445,-0.635) 40(4.445,0.635) 41(5.715,-0.635) 42(5.715,0.635) 43(6.985,-0.635) 44(6.985,0.635) 45(8.255,-0.635) 46(8.255,0.635) 47(9.525,-0.635) 48(9.525,0.635)
  round 0.8 hole 0.635 paste-1: 49(10.795,-0.635) 50(10.795,0.635) 51(12.065,-0.635) 52(12.065,0.635) 53(13.335,-0.635) 54(13.335,0.635) 55(14.605,-0.635) 56(14.605,0.635) 57(15.875,-0.635) 58(15.875,0.635) 59(17.145,-0.635) 60(17.145,0.635) 61(18.415,-0.635) 62(18.415,0.635) 63(19.685,-0.635) 64(19.685,0.635)
  silkscreen extent -21.91,1.14 21.91,5.73, body extent -21.91,-0.76 21.91,6.73, height 5.71
XC7A15T-1CSG324C [mm] "BGA, 324-Leads, Body 15.00x15.00mmx1.50mm, Pitch 0.80mm"
  round 0.41 smd: A1(-6.8,6.8) A2(-6,6.8) A3(-5.2,6.8) A4(-4.4,6.8) A5(-3.6,6.8) A6(-2.8,6.8) A7(-2,6.8) A8(-1.2,6.8) A9(-0.4,6.8) A10(0.4,6.8) A11(1.2,6.8) A12(2,6.8) A13(2.8,6.8) A14(3.6,6.8) A15(4.4,6.8) A16(5.2,6.8) A17(6,6.8) A18(6.8,6.8) B1(-6.8,6) B2(-6,6) B3(-5.2,6) B4(-4.4,6) B5(-3.6,6) B6(-2.8,6) B7(-2,6) B8(-1.2,6) B9(-0.4,6) B10(0.4,6) B11(1.2,6) B12(2,6) B13(2.8,6) B14(3.6,6) B15(4.4,6) B16(5.2,6) B17(6,6) B18(6.8,6) C1(-6.8,5.2) C2(-6,5.2) C3(-5.2,5.2) C4(-4.4,5.2) C5(-3.6,5.2) C6(-2.8,5.2) C7(-2,5.2) C8(-1.2,5.2) C9(-0.4,5.2) C10(0.4,5.2) C11(1.2,5.2) C12(2,5.2) C13(2.8,5.2) C14(3.6,5.2) C15(4.4,5.2) C16(5.2,5.2) C17(6,5.2) C18(6.8,5.2) D1(-6.8,4.4) D2(-6,4.4) D3(-5.2,4.4) D4(-4.4,4.4) D5(-3.6,4.4) D6(-2.8,4.4) D7(-2,4.4) D8(-1.2,4.4) D9(-0.4,4.4) D10(0.4,4.4) D11(1.2,4.4) D12(2,4.4) D13(2.8,4.4) D14(3.6,4.4) D15(4.4,4.4) D16(5.2,4.4) D17(6,4.4) D18(6.8,4.4) E1(-6.8,3.6) E2(-6,3.6) E3(-5.2,3.6) E4(-4.4,3.6) E5(-3.6,3.6) E6(-2.8,3.6) E7(-2,3.6) E8(-1.2,3.6) E9(-0.4,3.6) E10(0.4,3.6) E11(1.2,3.6) E12(2,3.6) E13(2.8,3.6) E14(3.6,3.6) E15(4.4,3.6) E16(5.2,3.6) E17(6,3.6) E18(6.8,3.6) F1(-6.8,2.8) F2(-6,2.8) F3(-5.2,2.8) F4(-4.4,2.8) F5(-3.6,2.8) F6(-2.8,2.8) F7(-2,2.8) F8(-1.2,2.8) F9(-0.4,2.8) F10(0.4,2.8) F11(1.2,2.8) F12(2,2.8) F13(2.8,2.8) F14(3.6,2.8) F15(4.4,2.8) F16(5.2,2.8) F17(6,2.8) F18(6.8,2.8) G1(-6.8,2) G2(-6,2) G3(-5.2,2) G4(-4.4,2) G5(-3.6,2) G6(-2.8,2) G7(-2,2) G8(-1.2,2) G9(-0.4,2) G10(0.4,2) G11(1.2,2) G12(2,2) G13(2.8,2) G14(3.6,2) G15(4.4,2) G16(5.2,2) G17(6,2) G18(6.8,2) H1(-6.8,1.2) H2(-6,1.2) H3(-5.2,1.2) H4(-4.4,1.2) H5(-3.6,1.2) H6(-2.8,1.2) H7(-2,1.2) H8(-1.2,1.2) H9(-0.4,1.2) H10(0.4,1.2) H11(1.2,1.2) H12(2,1.2) H13(2.8,1.2) H14(3.6,1.2) H15(4.4,1.2) H16(5.2,1.2) H17(6,1.2) H18(6.8,1.2) J1(-6.8,0.4) J2(-6,0.4) J3(-5.2,0.4) J4(-4.4,0.4) J5(-3.6,0.4) J6(-2.8,0.4) J7(-2,0.4) J8(-1.2,0.4) J9(-0.4,0.4) J10(0.4,0.4) J11(1.2,0.4) J12(2,0.4) J13(2.8,0.4) J14(3.6,0.4) J15(4.4,0.4) J16(5.2,0.4) J17(6,0.4) J18(6.8,0.4) K1(-6.8,-0.4) K2(-6,-0.4) K3(-5.2,-0.4) K4(-4.4,-0.4) K5(-3.6,-0.4) K6(-2.8,-0.4) K7(-2,-0.4) K8(-1.2,-0.4) K9(-0.4,-0.4) K10(0.4,-0.4) K11(1.2,-0.4) K12(2,-0.4) K13(2.8,-0.4) K14(3.6,-0.4) K15(4.4,-0.4) K16(5.2,-0.4) K17(6,-0.4) K18(6.8,-0.4) L1(-6.8,-1.2) L2(-6,-1.2) L3(-5.2,-1.2) L4(-4.4,-1.2) L5(-3.6,-1.2) L6(-2.8,-1.2) L7(-2,-1.2) L8(-1.2,-1.2) L9(-0.4,-1.2) L10(0.4,-1.2) L11(1.2,-1.2) L12(2,-1.2) L13(2.8,-1.2) L14(3.6,-1.2) L15(4.4,-1.2) L16(5.2,-1.2) L17(6,-1.2) L18(6.8,-1.2) M1(-6.8,-2) M2(-6,-2) M3(-5.2,-2) M4(-4.4,-2) M5(-3.6,-2) M6(-2.8,-2) M7(-2,-2) M8(-1.2,-2) M9(-0.4,-2) M10(0.4,-2) M11(1.2,-2) M12(2,-2) M13(2.8,-2) M14(3.6,-2) M15(4.4,-2) M16(5.2,-2) M17(6,-2) M18(6.8,-2) N1(-6.8,-2.8) N2(-6,-2.8) N3(-5.2,-2.8) N4(-4.4,-2.8) N5(-3.6,-2.8) N6(-2.8,-2.8) N7(-2,-2.8) N8(-1.2,-2.8) N9(-0.4,-2.8) N10(0.4,-2.8) N11(1.2,-2.8) N12(2,-2.8) N13(2.8,-2.8) N14(3.6,-2.8) N15(4.4,-2.8) N16(5.2,-2.8) N17(6,-2.8) N18(6.8,-2.8) P1(-6.8,-3.6) P2(-6,-3.6) P3(-5.2,-3.6) P4(-4.4,-3.6) P5(-3.6,-3.6) P6(-2.8,-3.6) P7(-2,-3.6) P8(-1.2,-3.6) P9(-0.4,-3.6) P10(0.4,-3.6) P11(1.2,-3.6) P12(2,-3.6) P13(2.8,-3.6) P14(3.6,-3.6) P15(4.4,-3.6) P16(5.2,-3.6) P17(6,-3.6) P18(6.8,-3.6) R1(-6.8,-4.4) R2(-6,-4.4) R3(-5.2,-4.4) R4(-4.4,-4.4) R5(-3.6,-4.4) R6(-2.8,-4.4) R7(-2,-4.4) R8(-1.2,-4.4) R9(-0.4,-4.4) R10(0.4,-4.4) R11(1.2,-4.4) R12(2,-4.4) R13(2.8,-4.4) R14(3.6,-4.4) R15(4.4,-4.4) R16(5.2,-4.4) R17(6,-4.4) R18(6.8,-4.4) T1(-6.8,-5.2) T2(-6,-5.2) T3(-5.2,-5.2) T4(-4.4,-5.2) T5(-3.6,-5.2) T6(-2.8,-5.2) T7(-2,-5.2) T8(-1.2,-5.2) T9(-0.4,-5.2) T10(0.4,-5.2) T11(1.2,-5.2) T12(2,-5.2) T13(2.8,-5.2) T14(3.6,-5.2) T15(4.4,-5.2) T16(5.2,-5.2) T17(6,-5.2) T18(6.8,-5.2) U1(-6.8,-6) U2(-6,-6) U3(-5.2,-6) U4(-4.4,-6) U5(-3.6,-6) U6(-2.8,-6) U7(-2,-6) U8(-1.2,-6) U9(-0.4,-6) U10(0.4,-6) U11(1.2,-6) U12(2,-6) U13(2.8,-6) U14(3.6,-6) U15(4.4,-6) U16(5.2,-6) U17(6,-6) U18(6.8,-6) V1(-6.8,-6.8) V2(-6,-6.8) V3(-5.2,-6.8) V4(-4.4,-6.8) V5(-3.6,-6.8) V6(-2.8,-6.8) V7(-2,-6.8) V8(-1.2,-6.8) V9(-0.4,-6.8) V10(0.4,-6.8) V11(1.2,-6.8) V12(2,-6.8) V13(2.8,-6.8) V14(3.6,-6.8) V15(4.4,-6.8) V16(5.2,-6.8) V17(6,-6.8) V18(6.8,-6.8)
  silkscreen extent -8.27,-7.5 7.5,7.5, body extent -7.5,-7.5 7.5,7.5, height 1.5